# Altium PCB LimePSB-RPCM_1v2.PcbDoc (part 3 of 10)
Units mm, origin at the board's own origin, x right, y up, seen from the top; angles counter-clockwise.
Board outline 170 x 110 mm, 6 copper layers (Top, L2, L3, L4, L5, Bottom), stack 1.583 mm thick; 800 components, 483 nets, 3453 pads, 1534 vias.
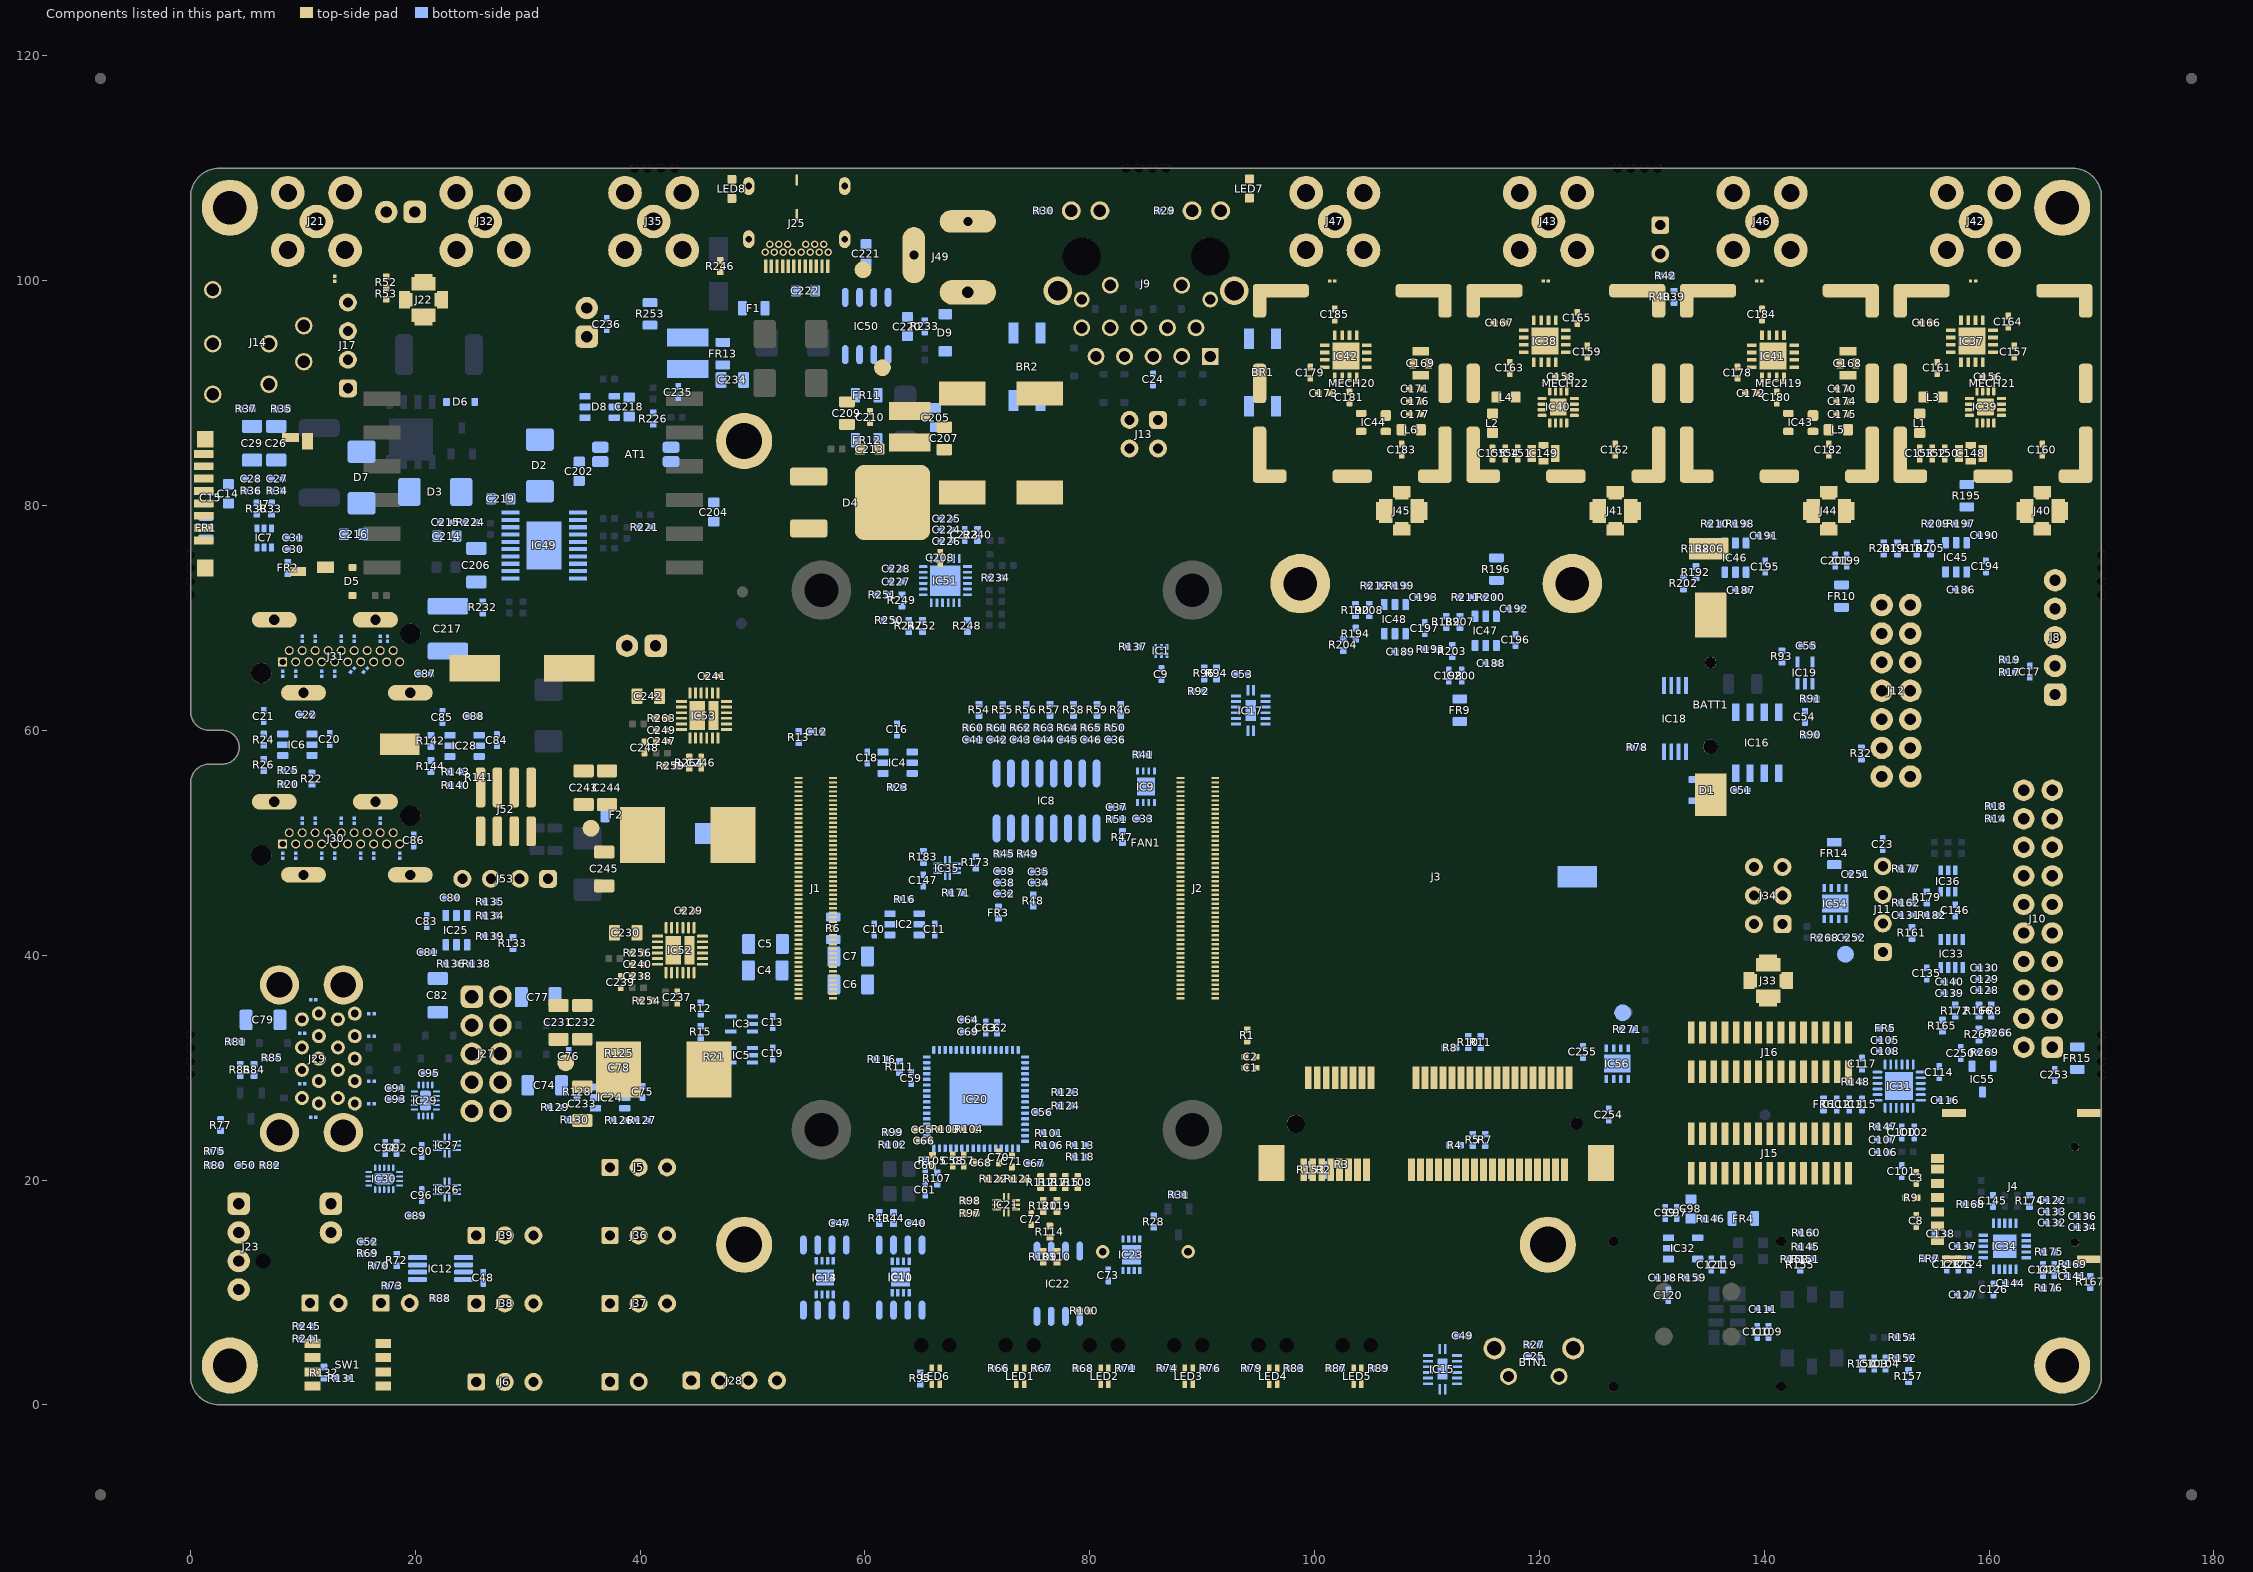
[diagram p7: the components of this part, seen from the top]

## Footprints (in the part's own frame and the unit in brackets; to place one, negate y for a bottom-side part, rotate by r counter-clockwise, add the part's x,y. Pads: shape width x height; smd on the part's side, far side on the other; paste and mask are expansions set on the pad) (continued)
SOT23-5 [mm]
  round 0.5 on Mech14: 0(0,0)
  rrect25% 1x0.6 smd: 1(-1.3,0.95) 2(-1.3,0) 3(-1.3,-0.95) 4(1.3,-0.95) 5(1.3,0.95)
  silkscreen extent -1.42,-1.35 0.51,1.81, body extent -1.4,-1.45 1.4,1.45, height 1.44
SOT23-6 [mm]
  round 0.5 on Mech14: 0(0,0)
  rrect25% 1x0.6 smd: 1(-1.3,0.95) 2(-1.3,0) 3(-1.3,-0.95) 4(1.3,-0.95) 5(1.3,0) 6(1.3,0.95)
  silkscreen extent -1.42,-1.35 0.51,1.81, body extent -1.4,-1.45 1.4,1.45, height 1.44
SPF5043Z_SOT-343 [mm]
  rrect50% 0.65x0.95 smd mask+0.05: 1(-0.8,-1.1) 3(0.8,1.1) 4(-0.8,1.1)
  rrect50% 1x0.95 smd mask+0.05: 2(0.625,-1.1)
  silkscreen extent -1.5,-1.92 1.5,0.5, body extent -1.1,-1.1 1.1,1.1, height 1
SW_4WAY_SMD_1P27 [mm] "DIP Switch; 8 Leads, 1.27 pitch"
  rect 0.8x1.4 smd: 1(-1.905,-3.15) 2(-0.635,-3.15) 3(0.635,-3.15) 4(1.905,-3.15) 5(1.905,3.15) 6(0.635,3.15) 7(-0.635,3.15) 8(-1.905,3.15)
  silkscreen extent -2.96,-1.9 2.92,1.9, body extent -3.15,-3.54 3.16,3.44, height 1.5
SW_TACTILE_RIGHT_EDGE [mm] "part number 1825027-5"
  round 1.5 hole 1: 1(-2.25,-1.245) 2(2.25,-1.245)
  round 1.95 hole 1.3: Shield(-3.505,1.245) Shield(3.505,1.245)
  silkscreen extent -3.55,-3 3.56,2.77, body extent -4.2,-5.11 4.2,2.75, height 7
TCMT1107CT_optoisolator [mm]
  rrect50% 1x1.5 smd mask+0.05: 1(-0.635,-3.15) 2(0.635,-3.15) 3(0.635,3.15) 4(-0.635,3.15)
  silkscreen extent -1.55,-4.2 1.55,4.15, body extent -1.3,-3.55 1.3,3.45, height 2.01
TP-SMD-LOW_PROFILE [mm] "SMD test point loop"
  rect 3.5x1.9 smd: 1(0,0)
  silkscreen extent -2.07,-1.28 2.07,1.28, body extent -1.6,-0.8 1.6,0.8, height 2
TP_PAD_1P5MM [mm]
  round 1.5 smd paste-2 mask+0.05: 1(0,0)
  silkscreen extent -0.9,-0.9 0.9,0.9
TQP3M9018_PA_QFN16 [mm]
  rrect50% 0.8x0.3 smd mask+0.05: 1(-1.425,0.75) 2(-1.425,0.25) 3(-1.425,-0.25) 4(-1.425,-0.75) 9(1.425,-0.75) 10(1.425,-0.25) 11(1.425,0.25) 12(1.425,0.75)
  rrect50% 0.3x0.8 smd mask+0.05: 5(-0.75,-1.425) 6(-0.25,-1.425) 7(0.25,-1.425) 8(0.75,-1.425) 13(0.75,1.425) 14(0.25,1.425) 15(-0.25,1.425) 16(-0.75,1.425)
  rrect10% 1.5x1.5 smd mask+0.05: PAD(0,0)
  silkscreen extent -1.8,-1.8 1.8,1.83, body extent -1.5,-1.5 1.5,1.5, height 0.92
USB2517-JZX-TR_USB_HUB_QFN64 [mm]
  rrect50% 0.7x0.3 smd mask+0.05: 1(-4.375,3.75) 2(-4.375,3.25) 3(-4.375,2.75) 4(-4.375,2.25) 5(-4.375,1.75) 6(-4.375,1.25) 7(-4.375,0.75) 8(-4.375,0.25) 9(-4.375,-0.25) 10(-4.375,-0.75) 11(-4.375,-1.25) 12(-4.375,-1.75) 13(-4.375,-2.25) 14(-4.375,-2.75) 15(-4.375,-3.25) 16(-4.375,-3.75) 33(4.375,-3.75) 34(4.375,-3.25) 35(4.375,-2.75) 36(4.375,-2.25) 37(4.375,-1.75) 38(4.375,-1.25) 39(4.375,-0.75) 40(4.375,-0.25) 41(4.375,0.25) 42(4.375,0.75) 43(4.375,1.25) 44(4.375,1.75) 45(4.375,2.25) 46(4.375,2.75) 47(4.375,3.25) 48(4.375,3.75)
  rrect50% 0.3x0.7 smd mask+0.05: 17(-3.75,-4.375) 18(-3.25,-4.375) 19(-2.75,-4.375) 20(-2.25,-4.375) 21(-1.75,-4.375) 22(-1.25,-4.375) 23(-0.75,-4.375) 24(-0.25,-4.375) 25(0.25,-4.375) 26(0.75,-4.375) 27(1.25,-4.375) 28(1.75,-4.375) 29(2.25,-4.375) 30(2.75,-4.375) 31(3.25,-4.375) 32(3.75,-4.375) 49(3.75,4.375) 50(3.25,4.375) 51(2.75,4.375) 52(2.25,4.375) 53(1.75,4.375) 54(1.25,4.375) 55(0.75,4.375) 56(0.25,4.375) 57(-0.25,4.375) 58(-0.75,4.375) 59(-1.25,4.375) 60(-1.75,4.375) 61(-2.25,4.375) 62(-2.75,4.375) 63(-3.25,4.375) 64(-3.75,4.375)
  rect 4.7x4.7 smd mask+0.05: PAD(0,0)
  silkscreen extent -4.95,-4.95 4.95,4.95, body extent -4.5,-4.52 4.54,4.52, height 0.9
USB_POWER_DISTR_CYPD3177_QFN24 [mm]
  rect 0.781x0.239 smd paste+0 mask+0.05: 1(-1.966,1.25)
  rrect50% 0.781x0.239 smd paste+0 mask+0.05: 2(-1.966,0.75) 3(-1.966,0.25) 4(-1.966,-0.25) 5(-1.966,-0.75) 6(-1.966,-1.25) 13(1.966,-1.25) 14(1.966,-0.75) 15(1.966,-0.25) 16(1.966,0.25) 17(1.966,0.75) 18(1.966,1.25)
  rrect50% 0.239x0.781 smd paste+0 mask+0.05: 7(-1.25,-1.966) 8(-0.75,-1.966) 9(-0.25,-1.966) 10(0.25,-1.966) 11(0.75,-1.966) 12(1.25,-1.966) 19(1.25,1.966) 20(0.75,1.966) 21(0.25,1.966) 22(-0.25,1.966) 23(-0.75,1.966) 24(-1.25,1.966)
  rect 2.7x2.7 smd mask+0.05: 25(0,0)
  silkscreen extent -2.4,-2.4 2.4,2.4, body extent -2,-2 2,2, height 0.6

## Part data
AT1: library part TCMT1107CT_optoisolator, Case/Package=SSOP, Isolation Voltage=2.5kV, Manufacturer=Renesas, Output Voltage=80V, Package Quantity=50, Supplier Part Number 1=968-PS2801-1-A, ComponentLink1Description=https://www.verical.com/server-webapp/html/getDatasheet?partID=312696, ComponentLink1URL=https://www.verical.com/server-webapp/html/getDatasheet?partID=312696, ComponentLink2Description=https://www.fairchildsemi.com/datasheets/FO/FOD817A.pdf, ComponentLink2URL=https://www.fairchildsemi.com/datasheets/FO/FOD817A.pdf, ComponentLink3Description=http://www.fairchildsemi.com/ds/FO/FOD817A.pdf, ComponentLink3URL=http://www.fairchildsemi.com/ds/FO/FOD817A.pdf, ComponentLink4Description=http://www.fairchildsemi.com/datasheets/FO/FOD817A.pdf, ComponentLink4URL=http://www.fairchildsemi.com/datasheets/FO/FOD817A.pdf, ComponentLink5Description=http://www.mouser.com/ds/2/149/FOD817A-194238.pdf, ComponentLink5URL=http://www.mouser.com/ds/2/149/FOD817A-194238.pdf, ComponentLink6Description=https://www.fairchildsemi.com/datasheets/FO/FOD817D.pdf, ComponentLink6URL=https://www.fairchildsemi.com/datasheets/FO/FOD817D.pdf, ComponentLink7Description=http://www.jameco.com/Jameco/Products/ProdDS/1107109.pdf, ComponentLink7URL=http://www.jameco.com/Jameco/Products/ProdDS/1107109.pdf, ComponentLink8Description=http://www.vishay.com/docs/83510/tcmt1100.pdf, ComponentLink8URL=http://www.vishay.com/docs/83510/tcmt1100.pdf, ComponentLink9Description=http://www.mouser.com/ds/2/427/tcmt1100-103040.pdf, ComponentLink9URL=http://www.mouser.com/ds/2/427/tcmt1100-103040.pdf, ComponentLink10Description=http://www.farnell.com/datasheets/485045.pdf, ComponentLink10URL=http://www.farnell.com/datasheets/485045.pdf, Lead Free="Lead Free", Manufacturer Part Number 1=PS2801-1-A, Number of Channels=1, Number of Circuits=1, Number of Pins=4, Packaging=Bulk, Part Description="Transistor Output Optocouplers OPTOCOUPLER 4-PIN SSOP", Pricing 1="1=1,17000, 10=0,74200, 50=0,74200, 100=0,54900, 1000=0,44800, 10000=0,43300 (USD)", Rise Time=3us, RoHS=Yes, RoHS Compliant=Yes, Stock 1=2813, Supplier 1=Mouser
BATT1: library part CR1220_BATTERY_HOLDER, Manufacturer="MPD (Memory Protection Devices)", Manufacturer Part Number 1=BC501SM, Operating Temperature="-40°C ~ 85°C", Supplier Part Number 1=BC501SM-ND, Battery Cell Size="Coin, 12.0mm", Battery Series=1220, Battery Type, Function="Coin Cell, Holder", Category="Battery Products", ComponentLink1Description=http://www.memoryprotectiondevices.com/datasheets/BC501SM-datasheet.pdf, ComponentLink1URL=http://www.memoryprotectiondevices.com/datasheets/BC501SM-datasheet.pdf, Height Above Board="0.157\" (4.00mm)", Mounting Type="PCB, Surface Mount", Number of Cells=1, Part Description="HOLDER COIN CELL FOR CR1220 SMD", Part Status=Active, Pricing 1="1=0.88, 10=0.81, 100=0.73, 500=0.68, 1000=0.59 (USD)", RoHS="RoHS Compliant", Stock 1=17830, Style="Holder (Open)", Supplier 1=Digi-Key, Termination Style="SMD (SMT) Tab"
BR1 BR2: library part KMB210S_RECTIFIER_BRIDGE, Manufacturer="SMC Diode Solutions", Supplier Part Number 1=1655-KMB210SCT-ND, Manufacturer Part Number 1=KMB210S, Part Description="Bridge Rectifier Single Phase Schottky 100 V Surface Mount MBS", Supplier 1=Digi-Key
BTN1: library part Button_right_edge, Contact Rating @ Voltage="0.05A @ 24VDC", Illumination Type, Color=-, Manufacturer="TE Connectivity ALCOSWITCH Switches", Manufacturer Part Number 1=1825027-5, Operating Force=160gf, Operating Temperature="-35°C ~ 85°C", Supplier Part Number 1=450-1662-ND, Actuator Height off PCB, Vertical=-, Actuator Length, Right Angle=3.86mm, Actuator Material="Polybutylene Terephthalate (PBT)", Actuator Orientation="Side Actuated", Actuator Type=Standard, Category=Switches, Circuit=SPST-NO, ComponentLink1Description=http://www.te.com/commerce/DocumentDelivery/DDEController?Action=srchrtrv&DocNm=1825027&DocType=Customer+Drawing&DocLang=English, ComponentLink1URL=http://www.te.com/commerce/DocumentDelivery/DDEController?Action=srchrtrv&DocNm=1825027&DocType=Customer+Drawing&DocLang=English, Features=-, Illumination=Non-Illuminated, Illumination Voltage (Nominal)=-, Ingress Protection=-, Mechanical Life="100,000 Cycles", Mounting Type="Through Hole, Right Angle", Outline="7.10mm x 7.00mm", Packaging=Bulk, Part Description="Tactile Switch SPST-NO Side Actuated Through Hole, Right Angle", Part Status=Active, Pricing 1="1=0.17, 10=0.169, 25=0.1628, 50=0.157, 100=0.1482, 250=0.13952, 500=0.1337, 1000=0.10173, 5000=0.08429 (USD)", RoHS="RoHS Compliant", Stock 1=19790, Supplier 1=Digi-Key, Switch Function=Off-Mom, Switch Travel=0.25mm, Termination Style="PC Pin"
BZ1: library part BUZZER_WST-1203UX, Current - Supply=30mA, Frequency=2.3kHz, Manufacturer="Soberton Inc.", Operating Mode="Single Tone", Operating Temperature="-20°C ~ 60°C", Ratings=Washable, Supplier Part Number 1=433-1047-ND, Voltage Range="2 ~ 4V", Approvals=-, Category="Audio Products", ComponentLink1Description=http://cirlw3yrzg4afc1x47lv2k18.wpengine.netdna-cdn.com/wp-content/uploads/2016/12/WST-1203UX-new.pdf, ComponentLink1URL=http://cirlw3yrzg4afc1x47lv2k18.wpengine.netdna-cdn.com/wp-content/uploads/2016/12/WST-1203UX-new.pdf, Driver Circuitry="Indicator, Internally Driven", Duration=-, Height - Seated (Max)="0.303\" (7.70mm)", Input Type="Zero-Peak Signal", Manufacturer Part Number 1=WST-1203UX, Mounting Type="Through Hole", Packaging=Tray, Part Description="Buzzers Indicator, Internally Driven Magnetic 3V 30mA 2.3kHz 82dB @ 3V, 10cm Through Hole PC Pins", Part Status=Active, Port Location=Top, Pricing 1="1=1.41, 10=1.117, 25=1.0176, 50=0.9516, 100=0.8855, 250=0.80852, 500=0.7535, 1000=0.704, 5000=0.6875 (USD)", RoHS="RoHS Compliant", Size / Dimension="0.472\" Dia (12.00mm)", Sound Pressure Level (SPL)="82dB @ 3V, 10cm", Stock 1=22696, Supplier 1=Digi-Key, Technology=Magnetic, Termination="PC Pins"
C1 C2 C15 C23 C225 C226: library part Cap_0603, Capacitance="0.1 uF", Case Code - in=0402, Manufacturer="Murata Electronics", Manufacturer Part Number=GRM155R71C104KA88D, Maximum Operating Temperature="+ 125 C", Minimum Operating Temperature="- 55 C", Operating Temperature Range="- 55 C to + 125 C", Package / Case="0402 (1005 metric)", Supplier Part Number 1=81-GRM155R71C104KA88, Temperature Coefficient / Code="+/- 15 %", Tolerance="10 %", Voltage Rating DC="16 V", Brand="Murata Electronics", Category="Multilayer Ceramic Capacitors MLCC - SMD/SMT", Manufacturer Part Number 1=GRM155R71C104KA88D, Minimum Order Quantity=1, Packaging=Reel, Part Description="0.10µF ±10% 16V Ceramic Capacitor X7R 0402 (1005 Metric)", Product="General Type MLCCs", Product Category="Low & Medium Capacitance SMD Ceramic Chip Capacitors", Reeling=True, RoHS="RoHS Compliant", RoHS - Mouser=Y, Series=GRM, Standard Pack Qty=10000, Supplier 1=Mouser, Termination Style=SMD/SMT, Type="General Purpose MLCC"
C3 C30 C34 C56 C57 C62 C64 C71 C105 C112 C128 C139 C150 C151 C170 C171 C198 C199 C223 C224: library part Cap_0402, "CAP CER 1UF 10V X5R 0402", Manufacturer=Yageo, Manufacturer Part Number 1=CC0402MRX5R6BB105, Operating Temperature="-55°C ~ 85°C", Package / Case="0402 (1005 Metric)", Ratings=-, Supplier Part Number 1=311-1732-1-ND, Temperature Coefficient=X5R, Tolerance=±20%, Voltage - Rated=10V, Applications="General Purpose", Category=Capacitors, ComponentLink1Description=http://www.yageo.com/documents/recent/UPY-GPHC_X5R_4V-to-50V_25.pdf, ComponentLink1URL=http://www.yageo.com/documents/recent/UPY-GPHC_X5R_4V-to-50V_25.pdf, Failure Rate=-, Features=-, Height - Seated (Max)=-, Lead Spacing=-, Lead Style=-, Mounting Type="Surface Mount, MLCC", Notification="Current market demand for these product types have resulted in fluctuating and extending lead times. Lead times may differ.", Packaging="Cut Tape (CT)", Part Description="1µF 10V Ceramic Capacitor X5R 0402 (1005 Metric) 0.039\" L x 0.020\" W (1.00mm x 0.50mm)", Part Status=Active, Pricing 1="1=0.22, 10=0.156, 100=0.0732, 500=0.0513, 1000=0.04248, 2500=0.03953, 5000=0.03617 (USD)", RoHS="RoHS Compliant", Size / Dimension="0.039\" L x 0.020\" W (1.00mm x 0.50mm)", Stock 1=69600, Supplier 1=Digi-Key, Thickness (Max)="0.022\" (0.55mm)"
  C34 C139: Assembly Info=NF
C4 C5 C6 C7 C26 C29 C74 C77 C79 C82: library part Cap_1206, Manufacturer="TDK Corporation", Manufacturer Part Number 1=C3216X6S1A476M160AC, Operating Temperature="-55°C ~ 105°C", Package / Case="1206 (3216 Metric)", Ratings=-, Supplier Part Number 1=445-6010-1-ND, Temperature Coefficient=X6S, Tolerance=±20%, Voltage - Rated=10V, Applications="General Purpose", Category=Capacitors, Failure Rate=-, Features="Low ESL", Height - Seated (Max)=-, Lead Spacing=-, Lead Style=-, Mounting Type="Surface Mount, MLCC", Notification="Current market demand for these product types have resulted in fluctuating and extending lead times. Lead times may differ.", Packaging="Cut Tape (CT)", Part Description="47µF ±20% 10V Ceramic Capacitor X6S 1206 (3216 Metric)", Part Status=Active, RoHS="RoHS Compliant", Size / Dimension="0.126\" L x 0.063\" W (3.20mm x 1.60mm)", Supplier 1=Digi-Key, Thickness (Max)="0.071\" (1.80mm)"
  C6 C7: Assembly Info=NF
C8 C60 C61 C141 C142 C143 C145: library part Cap_0402, Capacitance=22pF, Manufacturer=Yageo, Manufacturer Part Number 1=CC0402JRNPO9BN220, Operating Temperature="-55°C ~ 125°C", Package / Case="0402 (1005 Metric)", Ratings=-, Supplier Part Number 1=311-1018-2-ND, Temperature Coefficient="C0G, NP0", Tolerance=±5%, Voltage - Rated=50V, Applications="General Purpose", Category=Capacitors, Features=-, Height - Seated (Max)=-, Lead Spacing=-, Lead Style=-, Mounting Type="Surface Mount, MLCC", Packaging="Tape & Reel (TR)", Part Description="22pF ±5% 50V C0G, NP0 Ceramic Capacitor -55°C ~ 125°C Surface Mount, MLCC 0402 (1005 Metric) 0.039\" L x 0.020\" W (1.00mm x 0.50mm)", RoHS="RoHS Compliant", Size / Dimension="0.039\" L x 0.020\" W (1.00mm x 0.50mm)", Supplier 1=Digi-Key, Thickness (Max)="0.022\" (0.55mm)"
  C8: Assembly Info=NF
C9 C33 C35 C36 C37 C40 C41 C42 C43 C44 C45 C46 C47 C50 C52 C73 C129 C140 C200 C201: library part Cap_0603, Capacitance="0.1 uF", Case Code - in=0402, Case Code - mm=1005, Case Height="0.5 mm", Case Length="1 mm", Dielectric=X7R, Manufacturer="Murata Electronics", Manufacturer Part Number=GRM155R71C104KA88D, Maximum Operating Temperature="+ 125 C", Minimum Operating Temperature="- 55 C", Operating Temperature Range="- 55 C to + 125 C", Package / Case="0402 (1005 metric)", Supplier Part Number 1=81-GRM155R71C104KA88, Temperature Coefficient / Code="+/- 15 %", Tolerance="10 %", Voltage Rating DC="16 V", Brand="Murata Electronics", Case Width="0.5 mm", Category="Multilayer Ceramic Capacitors MLCC - SMD/SMT", Manufacturer Part Number 1=GRM155R71C104KA88D, Minimum Order Quantity=1, Packaging=Reel, Part Description="0.10µF ±10% 16V Ceramic Capacitor X7R 0402 (1005 Metric)", Product="General Type MLCCs", Product Category="Low & Medium Capacitance SMD Ceramic Chip Capacitors", Reeling=True, RoHS="RoHS Compliant", RoHS - Mouser=Y, Series=GRM, Standard Pack Qty=10000, Supplier 1=Mouser, Termination Style=SMD/SMT, Type="General Purpose MLCC"
  C33 C35 C140: Assembly Info=NF
C10 C11 C13 C16 C18 C19 C21 C22 C24 C27 C28 C31 C39 C48 C49 C51 C53 C54 C55 C58 C59 C63 C65 C66 C67 C68 C69 C70 C72 C76 C78 C81 C83 C85 C86 C87 C88 C89 C90 C91 C92 C93 C94 C95 C96 C97 C100 C101 C102 C103 C106 C110 C113 C118 C119 C122 C123 C131 C136 C147 C152 C154 C174 C176 C190 C191 C192 C193 C194 C195 C196 C197 C229 C241 C249: library part Cap_0402, Capacitance="0.1 uF", Case Code - in=0402, Case Code - mm=1005, Case Height="0.5 mm", Case Length="1 mm", Dielectric=X7R, Manufacturer="Murata Electronics", Manufacturer Part Number=GRM155R71C104KA88D, Maximum Operating Temperature="+ 125 C", Minimum Operating Temperature="- 55 C", Operating Temperature Range="- 55 C to + 125 C", Package / Case="0402 (1005 metric)", Supplier Part Number 1=81-GRM155R71C104KA88, Temperature Coefficient / Code="+/- 15 %", Tolerance="10 %", Voltage Rating DC="16 V", Brand="Murata Electronics", Case Width="0.5 mm", Category="Multilayer Ceramic Capacitors MLCC - SMD/SMT", Manufacturer Part Number 1=GRM155R71C104KA88D, Minimum Order Quantity=1, Packaging=Reel, Part Description="0.10µF ±10% 16V Ceramic Capacitor X7R 0402 (1005 Metric)", Product="General Type MLCCs", Product Category="Low & Medium Capacitance SMD Ceramic Chip Capacitors", Reeling=True, RoHS="RoHS Compliant", RoHS - Mouser=Y, Series=GRM, Standard Pack Qty=10000, Supplier 1=Mouser, Termination Style=SMD/SMT, Type="General Purpose MLCC"
  C10 C11 C16 C18 C22 C78 C83 C88 C103 C110 C118 C119 C131 C194 C195 C196 C197: Assembly Info=NF
C12 C17 C25 C146: library part Cap_0603, Capacitance="0.1 uF", Case Code - in=0402, Manufacturer="Murata Electronics", Manufacturer Part Number=GRM155R71C104KA88D, Supplier Part Number 1=81-GRM155R71C104KA88, Temperature Coefficient / Code="+/- 15 %", Tolerance="10 %", Voltage Rating DC="16 V", Brand="Murata Electronics", Category="Multilayer Ceramic Capacitors MLCC - SMD/SMT", Manufacturer Part Number 1=GRM155R71C104KA88D, Part Description="0.10µF ±10% 16V Ceramic Capacitor X7R 0402 (1005 Metric)", Supplier 1=Mouser, Type="General Purpose MLCC"
  C146: Assembly Info=NF
C14 C98: library part Cap_0603, Capacitance=10µF, Manufacturer=Yageo, Manufacturer Part Number 1=GRM188R61C106MA73D, Operating Temperature="-55°C ~ 85°C", Package / Case="0603 (1608 Metric)", Ratings=-, Supplier Part Number 1=490-7201-2-ND, Temperature Coefficient=X5R, Tolerance=±20%, Voltage - Rated=16V, Applications="General Purpose", Category=Capacitors, Features=-, Height - Seated (Max)=-, Lead Spacing=-, Lead Style=-, Mounting Type="Surface Mount, MLCC", Packaging="Tape & Reel (TR)", Part Description="10µF ±20% 16V Ceramic Capacitor X5R 0603 (1608 Metric)", RoHS="RoHS Compliant", Size / Dimension="0.063\" L x 0.031\" W (1.60mm x 0.80mm)", Supplier 1=Digi-Key, Thickness (Max)="0.039\" (1.00mm)"
C20 C38 C75 C80 C84 C120 C121 C186 C187 C188 C189 C237 C246: library part Cap_0402, Capacitance=1, Capacitance Tolerance="± 10%", Ceramic Capacitor Case="0402 [1005 Metric]", Dielectric Characteristic=X6, Manufacturer=Yageo, Manufacturer Part Number 1=CC0402MRX5R6BB105, Supplier Part Number 1=311-1732-1-ND, Voltage Rating=10, MSL=-, Part Description="1µF 10V Ceramic Capacitor X5R 0402 (1005 Metric) 0.039\" L x 0.020\" W (1.00mm x 0.50mm)", Product Range="TDK - C Series", RoHS=YES, Supplier 1=Digi-Key
  C120 C121: Assembly Info=NF
C32: library part Cap_0402, Capacitance=4.7µF, Manufacturer="Murata Electronics North America", Manufacturer Part Number=GRM155R60J475ME87D, Operating Temperature="-55°C ~ 85°C", Package / Case="0402 (1005 Metric)", Ratings=-, Supplier Part Number 1=490-5408-1-ND, Temperature Coefficient=X5R, Tolerance=±20%, Voltage - Rated=6.3V, Applications="General Purpose", Category=Capacitors, Features="Derating Recommended", Height - Seated (Max)=-, Lead Spacing=-, Lead Style=-, Manufacturer Part Number 1=GRM155R60J475ME87D, Mounting Type="Surface Mount, MLCC", Packaging="Cut Tape (CT)", Part Description="4.7µF ±20% 6.3V X5R Ceramic Capacitor -55°C ~ 85°C Surface Mount, MLCC 0402 (1005 Metric) 0.039\" L x 0.020\" W (1.00mm x 0.50mm)", RoHS="RoHS Compliant", Size / Dimension="0.039\" L x 0.020\" W (1.00mm x 0.50mm)", Supplier 1=Digi-Key, Thickness (Max)="0.022\" (0.55mm)"
C99 C107 C108 C114 C115 C116 C117 C124 C125 C126 C127 C130 C132 C133 C134 C153 C155 C156 C158 C160 C161 C162 C163 C164 C165 C166 C167 C175 C177 C178 C179 C180 C181 C182 C183 C184 C185: library part Cap_0402, Capacitance=100pF, Manufacturer=Yageo, Manufacturer Part Number 1=CC0402JRNPO9BN101, Operating Temperature="-55°C ~ 125°C", Package / Case="0402 (1005 Metric)", Ratings=-, Supplier Part Number 1=311-1024-1-ND, Temperature Coefficient="C0G, NP0", Tolerance=±5%, Voltage - Rated=50V, Applications="General Purpose", Category=Capacitors, Features=-, Height - Seated (Max)=-, Lead Spacing=-, Lead Style=-, Mounting Type="Surface Mount, MLCC", Packaging="Cut Tape (CT)", Part Description="100pF ±5% 50V C0G, NP0 Ceramic Capacitor -55°C ~ 125°C Surface Mount, MLCC 0402 (1005 Metric) 0.039\" L x 0.020\" W (1.00mm x 0.50mm)", RoHS="RoHS Compliant", Size / Dimension="0.039\" L x 0.020\" W (1.00mm x 0.50mm)", Supplier 1=Digi-Key, Thickness (Max)="0.022\" (0.55mm)"
C104 C109: library part Cap_0402, "CAP CER 1UF 10V X5R 0402", Capacitance=1, Capacitance Tolerance="± 10%", Ceramic Capacitor Case="0402 [1005 Metric]", Dielectric Characteristic=X6, Manufacturer=Yageo, Manufacturer Part Number 1=CC0402MRX5R6BB105, Supplier Part Number 1=311-1732-1-ND, Voltage Rating=10, Assembly Info=NF, MSL=-, Part Description="1µF 10V Ceramic Capacitor X5R 0402 (1005 Metric) 0.039\" L x 0.020\" W (1.00mm x 0.50mm)", Product Range="TDK - C Series", RoHS=YES, Supplier 1=Digi-Key
C111: library part Cap_0402, Capacitance=0.018µF, Manufacturer=Yageo, Manufacturer Part Number 1=CC0402KRX7R7BB183, Operating Temperature="-55°C ~ 125°C", Package / Case="0402 (1005 Metric)", Supplier Part Number 1=311-1706-1-ND, Temperature Coefficient=X7R, Tolerance=±10%, Voltage - Rated=16V, Applications="General Purpose", Assembly Info=NF, Category=Capacitors, Mounting Type="Surface Mount, MLCC", Packaging="Cut Tape (CT)", Part Description="0.018µF ±10% 16V Ceramic Capacitor X7R 0402 (1005 Metric)", Part Status=Active, RoHS="RoHS Compliant", Size / Dimension="0.039\" L x 0.020\" W (1.00mm x 0.50mm)", Supplier 1=Digi-Key, Thickness (Max)="0.022\" (0.55mm)"
C135 C137 C138: library part Cap_0402, Manufacturer="Murata Electronics North America", Manufacturer Part Number 1=GCM155R71H102KA37D, Operating Temperature="-55°C ~ 125°C", Package / Case="0402 (1005 Metric)", Ratings=AEC-Q200, Supplier Part Number 1=490-4761-1-ND, Temperature Coefficient=X7R, Tolerance=±10%, Voltage - Rated=50V, Applications=Automotive, Category=Capacitors, Features=-, Height - Seated (Max)=-, Lead Spacing=-, Lead Style=-, Mounting Type="Surface Mount, MLCC", Packaging="Cut Tape (CT)", Part Description="1000pF ±10% 50V Ceramic Capacitor X7R 0402 (1005 Metric)", Part Status=Active, RoHS="RoHS Compliant", Size / Dimension="0.039\" L x 0.020\" W (1.00mm x 0.50mm)", Supplier 1=Digi-Key, Thickness (Max)="0.022\" (0.55mm)"
C144: library part Cap_0402, Capacitance=220pF, Manufacturer=Yageo, Manufacturer Part Number 1=CC0402KRX7R9BB221, Operating Temperature="-55°C ~ 125°C", Package / Case="0402 (1005 Metric)", Ratings=-, Supplier Part Number 1=311-1035-2-ND, Temperature Coefficient=X7R, Tolerance=±10%, Voltage - Rated=50V, Applications="General Purpose", Category=Capacitors, Features=-, Height - Seated (Max)=-, Lead Spacing=-, Lead Style=-, Mounting Type="Surface Mount, MLCC", Packaging="Tape & Reel (TR)", Part Description="220pF ±10% 50V X7R Ceramic Capacitor -55°C ~ 125°C Surface Mount, MLCC 0402 (1005 Metric) 0.039\" L x 0.020\" W (1.00mm x 0.50mm)", RoHS="RoHS Compliant", Size / Dimension="0.039\" L x 0.020\" W (1.00mm x 0.50mm)", Supplier 1=Digi-Key, Thickness (Max)="0.022\" (0.55mm)"
C148 C149 C168 C169: library part Cap_feed_through, Capacitance=470nF, Case/Package=0805, Case Code (Metric)=2012, Current=2A, DC Resistance (DCR)=30mR, Insulation Resistance=1GR, Manufacturer=Murata, Manufacturer Part Number 1=NFM21PC474R1C3D, Max Operating Temperature=125°C, Max Voltage Rating (DC)=16V, Min Operating Temperature=-55°C, Package Quantity=1, Supplier Part Number 1=490-2537-1-ND, Tolerance=20%, Case Code (Imperial)=0805, Current Rating=2A, Depth=1.25mm, Height=0.85mm, Lead Free="Lead Free", Length=2mm, Max Current Rating=2A, Mount="Surface Mount,PCB", Packaging="Tape and Reel", Part Description="0.47µF Feed Through Capacitor 16V 2A 30mOhm 0805 (2012 Metric), 3 PC Pad", Pricing 1="1=0,25000, 10=0,22900, 25=0,21840, 50=0,21160, 100=0,20450, 250=0,19392, 500=0,16218, 1000=0,12586 (USD)", Radiation Hardening=No, REACH SVHC="No SVHC", RoHS=Yes, Stock 1=220606, Supplier 1=Digi-Key, Termination=Flat, Voltage=16V, Voltage Rating=16V, Voltage Rating (DC)=16V, Weight=0.000194oz, Width=1.25mm
C157 C159 C172 C173 C215: library part Cap_0402, Manufacturer="Murata Electronics North America", Manufacturer Part Number 1=GRM155R71H103KA88D, Operating Temperature="-55°C ~ 125°C", Package / Case="0402 (1005 Metric)", Ratings=-, Supplier Part Number 1=490-4516-2-ND, Temperature Coefficient=X7R, Tolerance=±10%, Voltage - Rated=50V, Applications="General Purpose", Category=Capacitors, ComponentLink1Description=http://www.murata.com/~/media/webrenewal/support/library/catalog/products/capacitor/mlcc/c02e.ashx?la=en-us, ComponentLink1URL=http://www.murata.com/~/media/webrenewal/support/library/catalog/products/capacitor/mlcc/c02e.ashx?la=en-us, Features=-, Height - Seated (Max)=-, Lead Spacing=-, Lead Style=-, Mounting Type="Surface Mount, MLCC", Packaging="Tape & Reel (TR)", Part Description="10000pF ±10% 50V Ceramic Capacitor X7R 0402 (1005 Metric)", Part Status=Active, Pricing 1="10000=0.00185, 20000=0.00176, 30000=0.00167 (USD)", RoHS="RoHS Compliant", Size / Dimension="0.039\" L x 0.020\" W (1.00mm x 0.50mm)", Stock 1=10970000, Supplier 1=Digi-Key, Thickness (Max)="0.022\" (0.55mm)"
C202 C204: library part Cap_0603, Manufacturer="Murata Electronics North America", Manufacturer Part Number 1=GRM188R72A104KA35D, Operating Temperature="-55°C ~ 125°C", Package / Case="0603 (1608 Metric)", Ratings=-, Supplier Part Number 1=490-3285-1-ND, Temperature Coefficient=X7R, Tolerance=±10%, Voltage - Rated=100V, Applications="General Purpose", Category=Capacitors, Features=-, Height - Seated (Max)=-, Lead Spacing=-, Lead Style=-, Mounting Type="Surface Mount, MLCC", Notification="Current market demand for these product types have resulted in fluctuating and extending lead times. Lead times may differ.", Packaging="Cut Tape (CT)", Part Description="0.1µF ±10% 100V Ceramic Capacitor X7R 0603 (1608 Metric)", Part Status="Not For New Designs", RoHS="RoHS Compliant", Size / Dimension="0.063\" L x 0.031\" W (1.60mm x 0.80mm)", Supplier 1=Digi-Key, Thickness (Max)="0.035\" (0.90mm)"
C203: library part Cap_ceramic, Capacitance=100uF, Case/Package=Radial, Manufacturer=KEMET, Manufacturer Part Number 1=EEV107M063A9PAA, Max Operating Temperature=105°C, Min Operating Temperature=-40°C, Package Quantity=1, Supplier Part Number 1=399-6702-1-ND, Tolerance=20%, Voltage Rating=63V, ComponentLink1Description=http://components.arrow.com/part/dataview/41677645S8110057N1386, ComponentLink1URL=http://components.arrow.com/part/dataview/41677645S8110057N1386, ComponentLink2Description=https://www.distrelec.biz/Web/Downloads/_t/ds/PAN-FK_eng_tds.pdf?mime=application%2Fpdf, ComponentLink2URL=https://www.distrelec.biz/Web/Downloads/_t/ds/PAN-FK_eng_tds.pdf?mime=application%2Fpdf, ComponentLink3Description=http://uk.rs-online.com/webdocs/139e/0900766b8139e40f.pdf, ComponentLink3URL=http://uk.rs-online.com/webdocs/139e/0900766b8139e40f.pdf, ComponentLink4Description=http://www.alliedelec.com/m/d/e9dd47fa10a053d1f2828ce8bc944f54.pdf, ComponentLink4URL=http://www.alliedelec.com/m/d/e9dd47fa10a053d1f2828ce8bc944f54.pdf, ComponentLink5Description=https://industrial.panasonic.com/cdbs/www-data/pdf/RDE0000/ABA0000C1181.pdf, ComponentLink5URL=https://industrial.panasonic.com/cdbs/www-data/pdf/RDE0000/ABA0000C1181.pdf, ComponentLink6Description=http://www.farnell.com/datasheets/2002520.pdf, ComponentLink6URL=http://www.farnell.com/datasheets/2002520.pdf, ComponentLink7Description=http://industrial.panasonic.com/www-data/pdf/ABA0000/ABA0000CE120.pdf, ComponentLink7URL=http://industrial.panasonic.com/www-data/pdf/ABA0000/ABA0000CE120.pdf, ComponentLink8Description=http://www.farnell.com/datasheets/731857.pdf, ComponentLink8URL=http://www.farnell.com/datasheets/731857.pdf, ComponentLink9Description=http://www.produktinfo.conrad.com/datenblaetter/425000-449999/443507-da-01-en-SMD_ELKO_VFK_F_22_UF_100V.pdf, ComponentLink9URL=http://www.produktinfo.conrad.com/datenblaetter/425000-449999/443507-da-01-en-SMD_ELKO_VFK_F_22_UF_100V.pdf, ComponentLink10Description=https://industrial.panasonic.com/cdbs/www-data/pdf/RDE0000/DME0000COL90.pdf, ComponentLink10URL=https://industrial.panasonic.com/cdbs/www-data/pdf/RDE0000/DME0000COL90.pdf, ComponentLink11Description=http://www.industrial.panasonic.com/www-data/pdf/ABA0000/ABA0000CE2.pdf, ComponentLink11URL=http://www.industrial.panasonic.com/www-data/pdf/ABA0000/ABA0000CE2.pdf, ComponentLink12Description=http://www.mouser.com/ds/2/315/ABA0000C1145-947633.pdf, ComponentLink12URL=http://www.mouser.com/ds/2/315/ABA0000C1145-947633.pdf, ComponentLink13Description=http://www.farnell.com/datasheets/2648708.pdf, ComponentLink13URL=http://www.farnell.com/datasheets/2648708.pdf, ComponentLink14Description=http://industrial.panasonic.com/www-data/pdf/ABA0000/ABA0000CE2.pdf, ComponentLink14URL=http://industrial.panasonic.com/www-data/pdf/ABA0000/ABA0000CE2.pdf, ComponentLink15Description=https://datasheet.ciiva.com/15949/41cat-db-al-cgieejppdfnamemve-cgieejppdfnamemve-15949785.pdf?src-supplier=Onlinecomponents.com, ComponentLink15URL=https://datasheet.ciiva.com/15949/41cat-db-al-cgieejppdfnamemve-cgieejppdfnamemve-15949785.pdf?src-supplier=Onlinecomponents.com, ComponentLink16Description=http://www.mouser.com/ds/2/212/KEM_A4002_EEV-535332.pdf?src-supplier=Mouser, ComponentLink16URL=http://www.mouser.com/ds/2/212/KEM_A4002_EEV-535332.pdf?src-supplier=Mouser, ComponentLink17Description=https://content.kemet.com/datasheets/KEM_A4002_EEV.pdf?src-supplier=Digi-Key, ComponentLink17URL=https://content.kemet.com/datasheets/KEM_A4002_EEV.pdf?src-supplier=Digi-Key, Height - Seated (Max)=0.413inch, Length=10.2mm, Life (Hours)=2000Hour, Mount="Surface Mount", Packaging="Tape and Reel", Part Description="100 µF 63 V Aluminum Electrolytic Capacitors Radial, Can - SMD 2000 Hrs @ 105°C", Pricing 1="1=0,92000, 10=0,69700, 50=0,57940, 100=0,49890 (USD)", RoHS=Yes, Stock 1=5871, Supplier 1=Digi-Key, Termination=SMD/SMT, Voltage Rating (DC)=63V